# Altium PCB Holberton.PcbDoc (part 5 of 6) (continued)
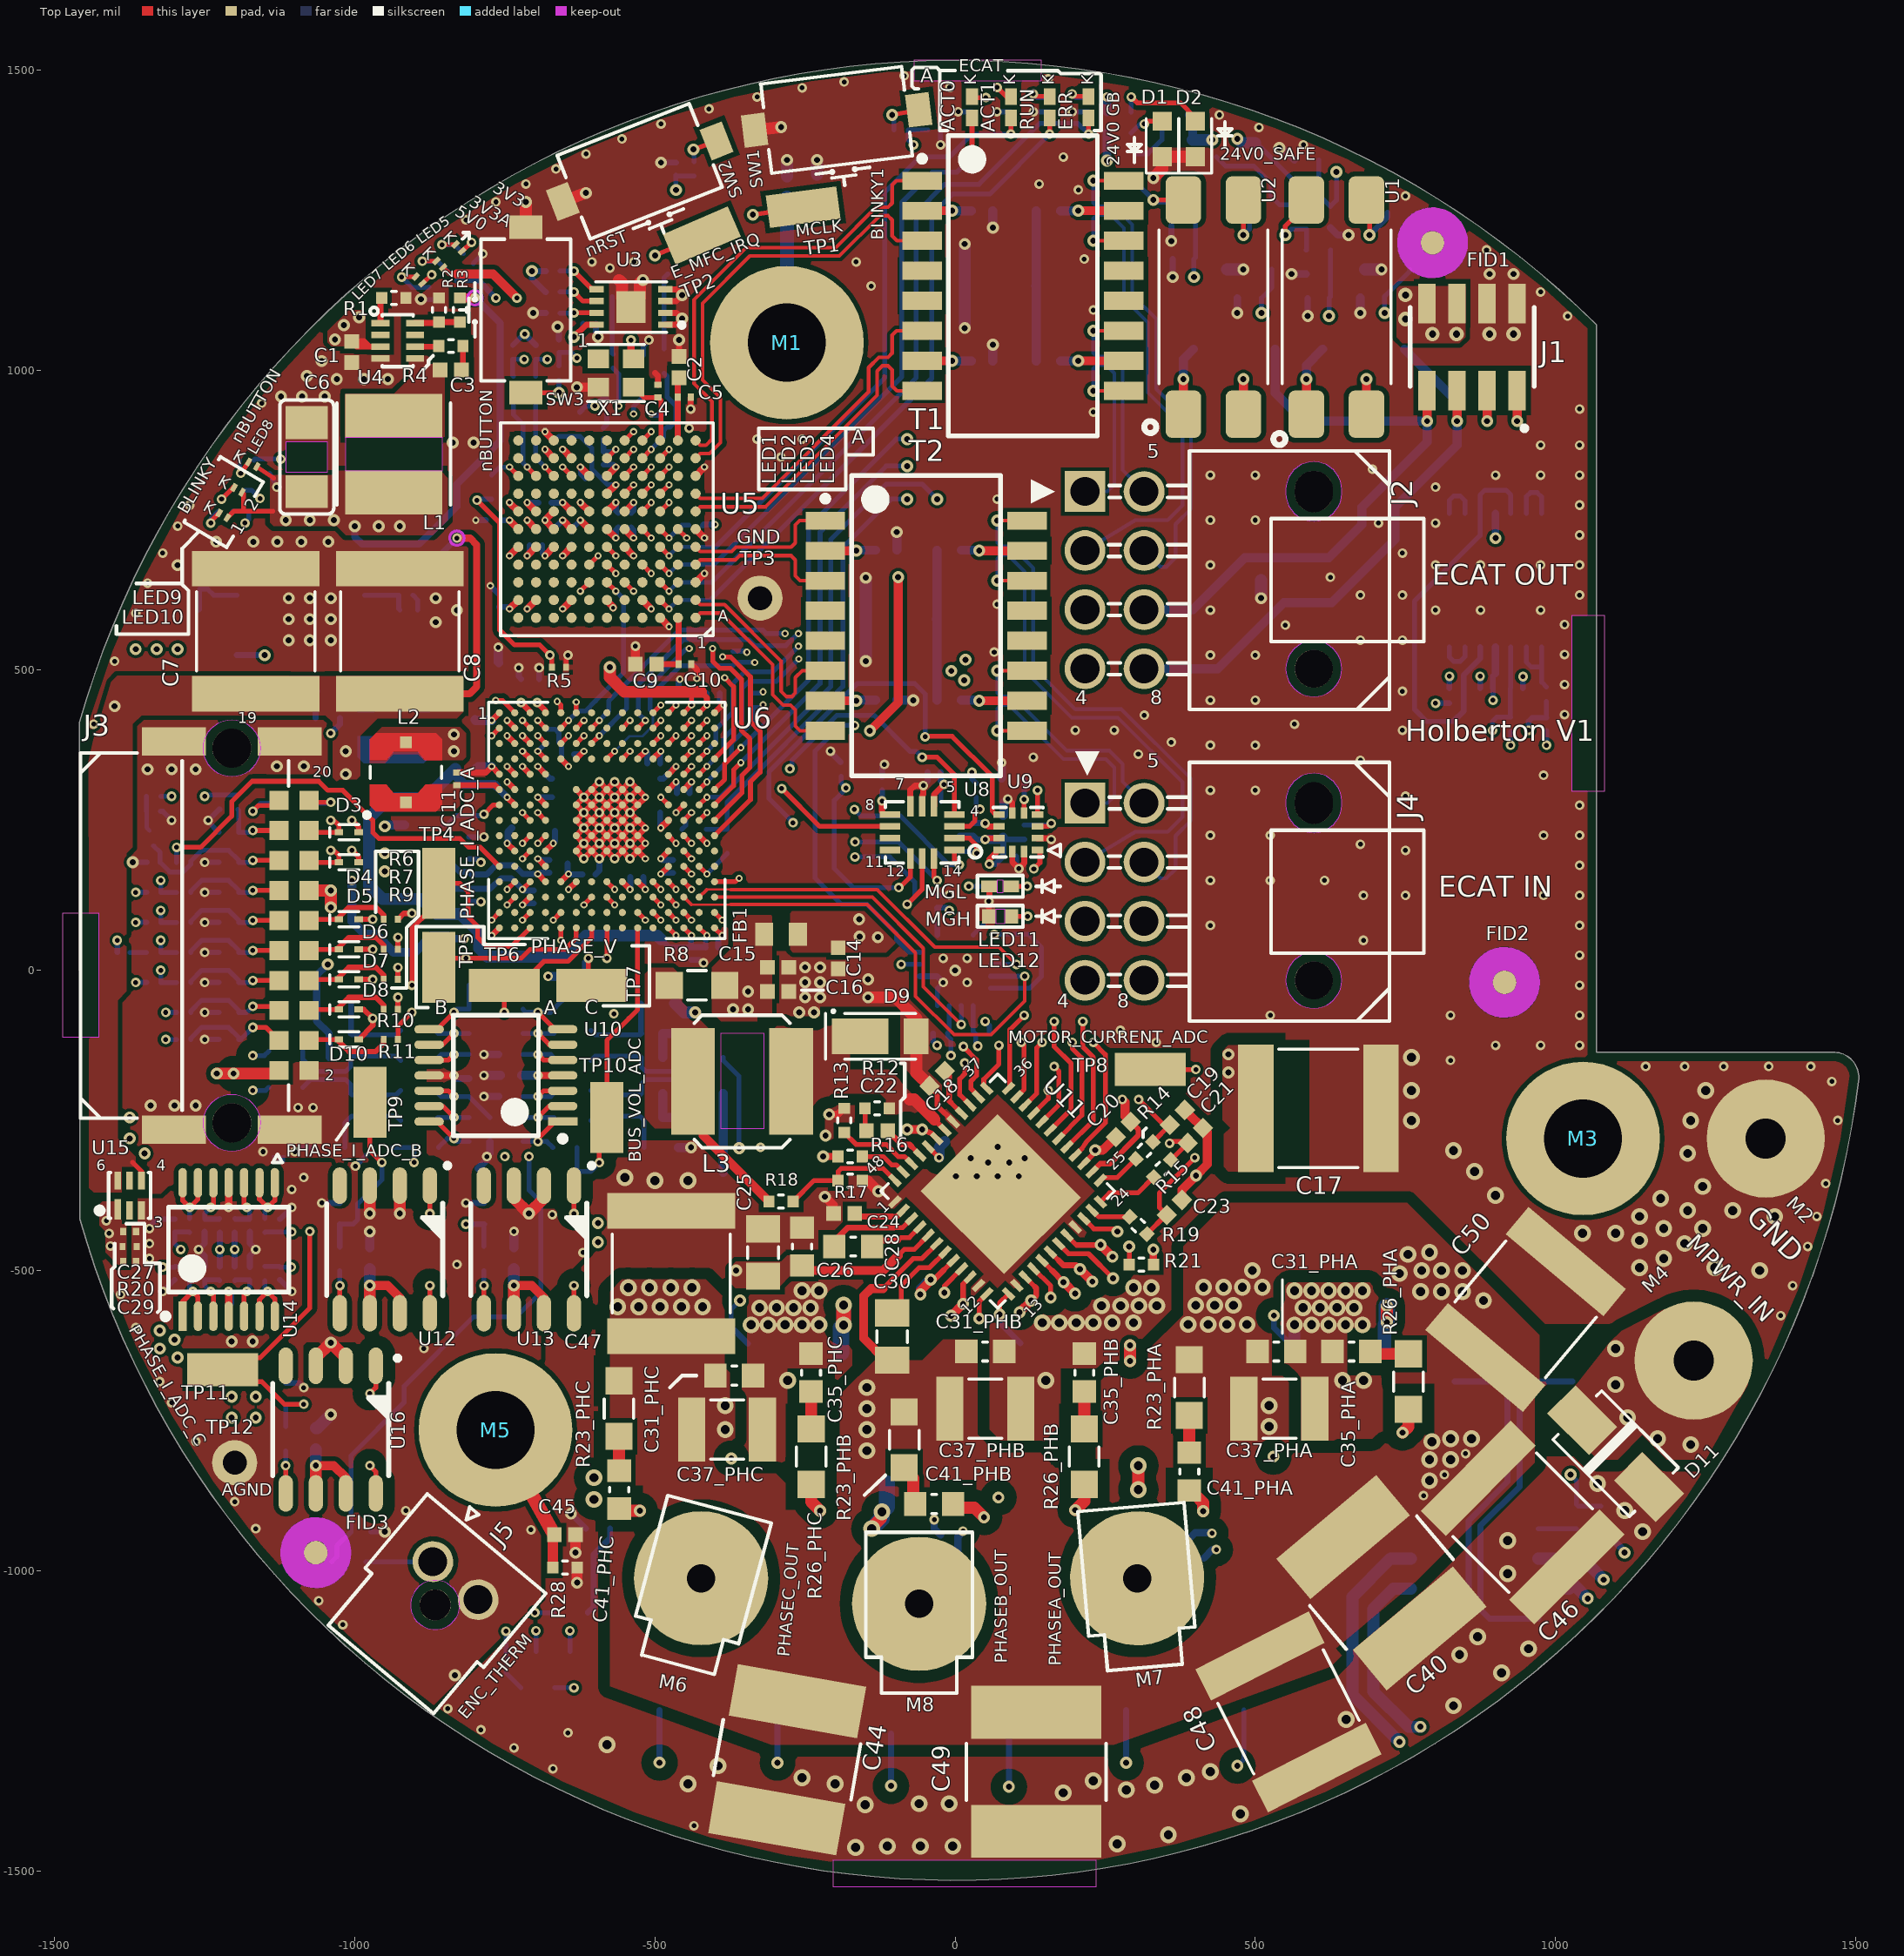
[diagram p0: Top Layer view]
## Nets (pads, with @x,y where several pads share a name; then routed paths per layer and width w, separated by ;. In a path a pad name is that pad's centre, name@x,y a point inside that pad or via, vN(x,y) a via of type N, cw(c..) or ccw(c..) an arc to the next point about the centre after c; other vN are vias at no path point) (continued)
NetU5_A10: U5.A10
NetU5_A11: U5.A11
NetU5_B2: U5.B2
NetU5_B5: U5.B5
NetU5_B7: U5.B7
NetU5_B9: U5.B9
NetU5_C2: U5.C2
NetU5_C4: U5.C4
NetU5_C8: U5.C8
NetU5_C9: U5.C9
NetU5_C10: U5.C10
NetU5_C11: U5.C11
NetU5_D2: U5.D2
NetU5_D5: U5.D5
NetU5_D8: U5.D8
NetU5_D9: U5.D9
NetU5_D10: U5.D10
NetU5_D11: U5.D11
NetU5_E2: U5.E2
NetU5_E4: U5.E4
NetU5_E7: U5.E7
NetU5_G2: U5.G2
NetU5_H2: U5.H2
NetU5_H7: U5.H7
NetU5_H8: U5.H8
NetU5_H9: U5.H9
NetU5_H10: U5.H10
NetU5_H11: U5.H11
NetU5_J2: U5.J2
NetU5_K2: U5.K2
NetU5_K7: U5.K7
NetU5_K10: U5.K10
NetU5_K11: U5.K11
NetU5_L6: U5.L6
NetU5_L7: U5.L7
NetU5_L8: U5.L8
NetU5_L10: U5.L10
NetU5_L11: U5.L11
NetU6_A8: U6.A8
NetU6_A9: U6.A9
NetU6_A10: U6.A10
NetU6_B12: U6.B12
NetU6_B15: U6.B15
NetU6_C1: U6.C1
NetU6_C8: U6.C8
NetU6_C9: U6.C9
NetU6_C10: U6.C10
NetU6_C15: U6.C15
NetU6_D1: U6.D1
NetU6_D2: U6.D2
NetU6_D7: U6.D7
NetU6_D12: U6.D12
NetU6_E15: U6.E15
NetU6_F3: U6.F3
NetU6_F4: U6.F4
NetU6_G3: U6.G3
NetU6_H1: U6.H1
NetU6_H2: U6.H2
NetU6_J1: U6.J1
NetU6_J2: U6.J2
NetU6_K1: U6.K1
NetU6_K14: U6.K14
NetU6_K15: U6.K15
NetU6_L2: U6.L2
NetU6_L3: U6.L3
NetU6_L15: U6.L15
NetU6_M1: U6.M1
NetU6_M7: U6.M7
NetU6_M14: U6.M14
NetU6_N1: U6.N1
NetU6_N4: U6.N4
NetU6_N5: U6.N5
NetU6_N6: U6.N6
NetU6_N9: U6.N9
NetU6_N10: U6.N10
NetU6_P2: U6.P2
NetU6_P4: U6.P4
NetU6_P6: U6.P6
NetU6_P7: U6.P7
NetU6_P8: U6.P8
NetU6_P9: U6.P9
NetU6_R2: U6.R2
NetU6_R4: U6.R4
NetU8_10: U8.10
NetU8_11: U8.11
NetU12_4: U12.4
NetU13_4: U13.4
NetU15_2: U15.2
NetU15_5: U15.5
NetU16_4: U16.4
NetU17_6: U17.6 U17.7 | length 64.8
  Bottom Layer w8: U17.7@823.23,538.78 823.23,521.77 830,515 841.31,515 848.82,522.51 U17.6@848.82,538.78
NetU17_8: U17.8 U17.9 | length 74.8
  Bottom Layer w8: U17.8@823.23,761.22 823.23,783.23 830,790 841.31,790 848.82,782.49 U17.9@848.82,761.22
NetU17_13: U17.13 U17.14 | length 86.8
  Bottom Layer w8: U17.13@951.18,761.22 951.18,789.18 958,796 969.31,796 976.77,788.54 U17.14@976.77,761.22
NetU19_1: U19.1
NetU19_9: U19.9
NetU19_14: U19.14
NetU19_15: U19.15
NetU20_4: U20.4
NetX1_1: X1.1
nRST: C52.1 R40.1 R100.1 U6.L1 | length 2407.4
  Top Layer w8: v1(-1296.81,205) -1257,205 -1205,257 -1205,281 -1171,315 -1060,315 -1045,300 -1020,300 -970,250 -970,230 -960,220 -825,220 -810,205 -790.91,205 U6.L1@-759.14,173.22
  SL1 w6: v1(-1296.81,205) -1285,216.81 -1285,390 -1227,448 -1227,680 -1212,695 -1212,753.77 -1200.2,765.57 -1200.2,793.8 -1169,825 -1169,863 -1131,901 -1034,901 -965,970 -965,1005 -864,1106 -864,1134 -828,1170 -828,1216 -811.5,1232.5 -743.5,1232.5 -718,1258 -507,1258 v2(-465,1300)
  Bottom Layer w8: R100.1@-1296.81,180 v1(-1296.81,205) ; v2(-465,1300) C52.1@-465,1324.37 -463.81,1323.19 R40.1@-435,1323.19
PDR_ON: R88.1 U6.D4 | length 39.6
  Top Layer w8: v3(-695.16,365.15) U6.D4@-682.36,352.36
  Bottom Layer w8: v3(-695.16,365.15) -682.12,378.19 R88.1@-679,378.19
PHASE_V_ADC_A: C151.1 R145.2 TP6.1 U6.R7 | length 643.6
  Top Layer w8: v1(-751,-70) TP6.1@-751,-25 -725,-25 -685,15 -645,15 -605.59,54.41 U6.R7@-605.6,70.86
  SL1 w6: v1(-901.18,-320) -880.18,-299 -828,-299 -763,-234 -763,-82 v1(-751,-70)
  Bottom Layer w8: C151.1@-937.29,-295 R145.2@-901.18,-295 v1(-901.18,-320)
PHASE_V_ADC_B: C127.1 R112.2 TP5.1 U6.R6 | length 352.3
  Top Layer w8: TP5.1@-860,5 -860,15 -855,20 v1(-815,20) -723,20 -708,35 -650,35 -631.18,53.82 U6.R6@-631.19,70.86
  Bottom Layer w8: R112.2@-850.18,-25 -850.18,17.11 C127.1@-845,22.29 -842.71,20 v1(-815,20)
PHASE_V_ADC_C: C132.1 R116.2 TP7.1 U6.M8 | length 272.7
  Top Layer w8: v1(-611,20.1) -611,-19 TP7.1@-605,-25 ; U6.M8@-580.01,147.63 v3(-567.21,134.84)
  SL2 w6: v1(-611,20.1) -585,46.1 -585,117.05 v3(-567.21,134.84)
  Bottom Layer w8: R116.2@-613.82,-50 -617.29,-46.53 C132.1@-617.29,-10 -617.29,13.81 v1(-611,20.1)
PHASEA: C41_PHA.1 Q8_PHA.5 Q11_PHA.1 R26_PHA.2 R131.1 R160.1 U11.9 U13.8 | length 5785.2
  Top Layer w8: U13.8@-635,-571.3 v1(-635,-525) ; v2(-18,-537) -18,-526.01 U11.9@10.86,-497.15
  Top Layer w20: C41_PHA.1@390,-866.49 398.7,-875.19 401.28,-875.19 413,-886.9 v2(413,-901) ; v2(745,-770) 754.99,-760.01 R26_PHA.2@754.99,-731.26
  SL1 w10: v1(-635,-525) -635,-485.1 -645.1,-475 -664.8,-475 -674.8,-485 -674.8,-590.92 -130.32,-1135.4 270.08,-1135.4 386.4,-1251.72 386.4,-1286.8 398.7,-1299.1 444.1,-1299.1 v2(470,-1325) ; v2(-18,-537) -45,-564 -45,-580 -45,-604 116,-765 337,-765 382,-810 v2(530,-810)
  SL2 w6: v1(-1170,-200) -1153,-217 -1153,-275 -1212,-334 -1286,-334 -1325,-373 -1354,-373 -1388,-407 -1388,-511.7 -1329.7,-570 -1307.8,-570 -1266.5,-611.3 -1266.5,-719.5 -1218,-768 -1176,-768 -1143,-801 -1143,-858 -1093,-908 -1093,-983 -938,-1138 -811,-1138 -754,-1195 -693,-1195 -641,-1247 293,-1247 485,-1055 485,-951 435,-901 v2(413,-901)
  Bottom Layer w8: v1(-1170,-200) -1148.54,-200 R131.1@-1143.54,-195 ; v2(470,-1325) 481.03,-1313.97 R160.1@481.03,-1232.2
PHASEA_OUT: M7.1 R160.2 U13.1 | length 1832.6
  Top Layer w8: v1(-635,-405) U13.1@-635,-358.7
  SL1 w10: v1(-635,-405) -635,-445.4 -644.6,-455 -673.08,-455 -694.8,-476.72 -694.8,-599.2 -138.6,-1155.4 261.8,-1155.4 366.4,-1260 366.4,-1296.3 342.7,-1320 v2(284.6,-1320)
  Bottom Layer w10: v2(284.6,-1320) R160.2@284.6,-1232.2
PHASEB: C41_PHB.1 Q8_PHB.5 Q11_PHB.1 R26_PHB.2 R125.1 R162.1 U11.16 U12.8 | length 5325.5
  Top Layer w8: U12.8@-875,-571.3 v1(-875,-525) ; U11.16@130.57,-497.15 159,-525.57 v2(159,-545)
  Top Layer w20: C41_PHB.1@-1.51,-895 32,-895 v2(48,-911) ; v2(199.99,-899) 214.99,-884 R26_PHB.2@214.99,-856.26
  SL1 w10: v1(-875,-525) -875,-485.1 -885.1,-475 -904.8,-475 -919.8,-490 -919.8,-830.32 -870.09,-880.03 -818.13,-918.11 -740.63,-942.69 -635.32,-1048 -520.72,-1048 -465.82,-1102.9 -367.1,-1102.9 -235.2,-1234.8 -55.2,-1234.8 -7.68,-1282.32 -7.68,-1326 11.32,-1345 74.44,-1345 v2(89.43,-1360) ; v2(72,-878) -108.2,-697.8 -108.2,-527.3 -71.2,-490.3 92.7,-490.3 120.19,-517.79 131.79,-517.79 v2(159,-545)
  SL2 w6: v1(-1170,-142) -1125,-187 -1125,-309 -1176,-360 -1267,-360 -1317,-410 -1351.87,-410 -1361,-419.13 -1361,-497 -1343,-515 -1312.6,-515 -1290,-537.6 -1290,-545 -1235,-600 -1235,-635.8 -1220.8,-650 -1145,-650 -1105,-690 -1105,-740 -1043.8,-801.2 -1043.8,-953.3 -970,-1027.1 -970,-1067.3 -926.3,-1111 -782,-1111 -756,-1137 -583,-1137 -575,-1145 -155,-1145 -131.5,-1121.5 -7.5,-1121.5 58,-1056 58,-990.39 48,-980.39 v2(48,-911)
  Bottom Layer w8: v1(-1170,-142) -1150.54,-142 R125.1@-1143.54,-135
  Bottom Layer w10: v2(89.43,-1360) R162.1@89.43,-1271.1
PHASEB_OUT: M8.1 R162.2 U12.1 | length 1829.6
  Top Layer w8: v1(-875,-405) U12.1@-875,-358.7
  SL1 w10: v1(-875,-405) -875,-445.4 -884.6,-455 -913.08,-455 -939.8,-481.72 -939.8,-838.6 -888.68,-889.72 -829.05,-935.63 -751.32,-960.28 -643.6,-1068 -529,-1068 -474.1,-1122.9 -375.38,-1122.9 -243.48,-1254.8 -63.48,-1254.8 -27.68,-1290.61 -27.68,-1327.68 -45,-1345 -93.42,-1345 v2(-106.99,-1358.56)
  Bottom Layer w10: v2(-106.99,-1358.56) R162.2@-106.99,-1271.1
PHASEC: C41_PHC.1 Q8_PHC.5 Q11_PHC.1 R26_PHC.2 R126.1 R161.1 U11.19 U16.8 | length 3331.8
  Top Layer w8: v1(-975,-825) -965,-835 U16.8@-965,-871.3 ; U11.19@172.33,-455.4 188.94,-472 222,-472 v2(263,-513)
  Top Layer w20: C41_PHC.1@-560,-896.49 -556.48,-900 v2(-525,-900) ; R26_PHC.2@-240.01,-856.26 -240.01,-885 v2(-225.01,-900)
  SL1 w10: v1(-975,-825) -975,-785.1 -985.1,-775 -1004.8,-775 -1013,-783.2 -1013,-912 -937,-988 -937,-1061.43 -886.9,-1111.53 -790.74,-1111.53 -760.07,-1142.2 -595.52,-1142.2 -542.92,-1194.8 -431.92,-1194.8 -379,-1247.72 -379,-1296 -355,-1320 v2(-295.94,-1320)
  SL2 w6: v2(-525,-900) -525,-830 -610,-745 -610,-520 -570,-480 -475,-480 -402.5,-407.5 -374,-379 -374,-323 -374,-310 v2(-360,-296)
  SL2 w10: v2(-373,-813) -367,-813 -154.1,-600.1 -154.1,-532.1 -62,-440 188.88,-440 261.88,-513 v2(263,-513)
  Bottom Layer w8: R126.1@-386.46,-145 -386.46,-149.92 -360,-176.38 v2(-360,-296)
  Bottom Layer w10: v2(-295.94,-1320) R161.1@-295.93,-1232.2
PHASEC_OUT: M6.1 R161.2 U16.1 | length 1345.5
  Top Layer w8: v1(-975,-705) -965,-695 U16.1@-965,-658.7
  SL1 w10: v1(-975,-705) -975,-745.4 -984.6,-755 -1013.08,-755 -1033,-774.92 -1033,-920.28 -957,-996.28 -957,-1069.71 -895.18,-1131.53 -799.02,-1131.53 -768.35,-1162.2 -603.8,-1162.2 -551.2,-1214.8 -440.2,-1214.8 -399,-1256 -399,-1283 -412,-1296 -468.68,-1296 v2(-492.36,-1319.67)
  Bottom Layer w10: v2(-492.36,-1319.67) R161.2@-492.36,-1232.2
RCL: R13.2 U11.46 | length 133.7
  Top Layer w8: R13.2@-185,-270.18 -165.18,-290 -115,-290 -95,-310 -84.42,-310 U11.46@-72.65,-321.76
RTSD: R16.2 U11.47 | length 78.9
  Top Layer w8: R16.2@-154.82,-310 -120,-310 -106,-324 -98.26,-324 U11.47@-86.57,-335.68
SNA: NT3_PHA.1 U11.12 | length 653.2
  Top Layer w8: v2(40,-580) 39.99,-551.53 U11.12@52.62,-538.9
  SL1 w8: v2(40,-580) 115,-655 192,-655 212.29,-675.29 382.01,-675.29 416.5,-640.8 489.2,-640.8 530.85,-599.15 v2(530.85,-575)
  Bottom Layer w10: NT3_PHA.1@530.86,-595.86 v2(530.85,-575)
SNB: NT3_PHB.1 U11.13 | length 62.4
  Top Layer w8: v2(74,-573) 74,-553.71 U11.13@88.81,-538.9
  Bottom Layer w10: v2(74,-573) 74,-586.56 NT3_PHB.1@80.1,-592.66
SNC: NT3_PHC.1 U11.22 | length 889.9
  Top Layer w8: U11.22@214.09,-413.63 230.85,-430.4 265.4,-430.4 v2(270,-435)
  SL1 w8: v2(-358.46,-550) -358.46,-523.46 -342.7,-507.7 -326.76,-507.7 -241.96,-422.9 -203.1,-422.9 -165.1,-384.9 ; -165,-385 -160,-380 -160,-360 -148.1,-348.1 -79.6,-348.1 -42.2,-385.5 220.5,-385.5 v2(270,-435)
  Bottom Layer w8: NT3_PHC.1@-373.45,-593.66 -373.45,-565 v2(-358.46,-550)
STO1: D12.1 J1.7 J2.7 J4.7 R58.2 | length 1627.7
  Top Layer w15: v2(785.98,915) J1.7@785.98,965.85
  SL2 w15: J4.7@314.56,81.87 403,170.32 403,512.43 J2.7@314.56,600.87
  Bottom Layer w15: J2.7@314.56,600.87 395.88,600.88 482.39,687.39 D12.1@590.35,687.4 622.39,687.39 677.51,742.51 677.51,771.53 785.98,880 v2(785.98,915) 580,915 532.91,962.09 R58.2@532.92,1035
STO2: D12.2 J1.5 J2.8 J4.8 R57.1 | length 1532.9
  Top Layer w15: v2(835.98,915) J1.5@835.98,965.85
  SL1 w15: J4.8@314.56,-16.55 386,54.89 386,431 J2.8@314.56,502.45
  Bottom Layer w15: J2.8@314.56,502.45 437.45,502.45 547.59,612.59 D12.2@590.35,612.59 627.59,612.59 732.51,717.51 732.51,771.53 835.98,875 v2(835.98,915) 835.98,946.93 R57.1@747.91,1035
STO_RET1: J1.1 J2.3 J4.3 U2.2 | length 2295.2
  Top Layer w15: U2.2@479.99,926.66 v2(479.99,985) ; v2(935.98,915) J1.1@935.98,965.85
  SL1 w15: J2.3@216.13,600.87 159.5,657.51 159.5,819.5 215.5,875.5 694.5,875.5 725,845 865.98,845 v2(935.98,915) 825.98,1025 519.99,1025 v2(479.99,985)
  SL2 w15: J4.3@216.13,81.87 165,133.01 165,176.6 137,204.6 137,259.3 159,281.3 159,543.74 J2.3@216.13,600.87
STO_RET2: J1.3 J2.4 J4.4 U1.2 | length 2113
  Top Layer w15: U1.2@684.99,926.66 v2(684.99,985) ; v2(885.98,915) J1.3@885.98,965.85
  SL1 w15: J4.4@216.13,-16.55 165,34.58 165,100 152.8,112.2 152.8,184 121,215.8 121,254 158.51,291.51 158.51,334.51 179,355 179,465.31 J2.4@216.13,502.45 124.5,594.08 124.5,829.5 197,902 743,902 760,885 855.98,885 v2(885.98,915) 815.98,985 v2(684.99,985)
SW: D9.K L3.1 R12.2 U11.42 | length 80.2
  Top Layer w9: -34.53,-248.53 U11.42@-16.98,-266.08
  Top Layer w20: -76,-215 -68.06,-215 -34.53,-248.53
TCK_SWCLK: R108.1 R109.2 U6.A12 | length 1477.3
  Top Layer w8: U6.A12@-477.64,429.13 v3(-464.85,441.92)
  SL2 w6: v1(-1323.19,50) -1345,71.81 -1345,208 -1385,248 -1385,350 -1235,500 -1135,500 -1120,515 -1009,515 -966,558 -841.11,558 -811.51,587.6 -603.6,587.6 -564,548 -564,538 -541,515 -541,510.8 -487.2,457 -479.92,457 v3(-464.85,441.92)
  Bottom Layer w8: v1(-1323.19,50) R109.2@-1323.19,30 R108.1@-1296.81,30
TDI: R102.1 R103.1 U6.A11 | length 1306.6
  Top Layer w8: U6.A11@-503.23,429.13 v3(-490.44,441.92)
  SL2 w6: v1(-1323.19,150) -1325.5,152.31 -1325.5,244.5 -1365,284 -1365,341 -1226,480 -1120,480 -1102.2,497.8 -995.2,497.8 -954,539 -836.54,539 -803.64,571.9 -615.2,571.9 -554,510.7 -554,494 -501.93,441.92 v3(-490.44,441.92)
  Bottom Layer w8: v1(-1323.19,150) R103.1@-1323.19,130 R102.1@-1296.81,130
TDO_SWO: R105.1 R106.1 U6.A6 | length 998
  Top Layer w8: U6.A6@-631.19,429.13 v3(-631.18,447)
  SL2 w6: v1(-1323.19,100) -1268,155.19 -1268,194 -1218.45,243.55 -1218.45,279.45 -1061.9,436 -973,436 -929,480 -816.84,480 -793.14,503.7 -751,503.7 -735,487.7 -659.5,487.7 -631.18,459.38 v3(-631.18,447)
  Bottom Layer w8: v1(-1323.19,100) R106.1@-1323.19,80 R105.1@-1296.81,80
TMS_SWDIO: R110.1 R111.1 U6.B13 | length 1661.9
  Top Layer w8: U6.B13@-452.05,403.54 v3(-439.26,416.33)
  SL2 w4: -452.05,456.41 -452.05,429.12 v3(-439.26,416.33)
  SL2 w6: v1(-1323.19,0) -1361.7,38.51 -1361.7,47.8 -1405,91.1 -1405,355 -1237.35,522.65 -1199,522.65 -1175.65,546 -1133,546 -1118,531 -1024,531 -956,599 -859,599 -832.16,625.84 -651.35,625.84 -640.51,615 -602,615 -549.4,562.4 -531.7,562.4 -475.7,506.4 -475.7,480.07 -452.05,456.41
  Bottom Layer w8: v1(-1323.19,0) R111.1@-1323.19,-20 R110.1@-1296.81,-20
TR_CLK: R11.2 U6.C3 | length 712.2
  Top Layer w8: R11.2@-928.19,-115 -928.19,-93.19 v1(-905,-70)
  Top Layer w10: v3(-720.75,390.74) U6.C3@-707.96,377.95
  SL1 w6: v1(-905,-70) -886.8,-51.8 -886.8,-8.2 -925,30 -940,30 -950,40 -950,95 -900,145 -885,145 -853.6,176.4 -853.6,313.4 -793.05,373.95 -737.54,373.95 v3(-720.75,390.74)
TR_DATA0: R10.2 U6.B2 | length 780.5
  Top Layer w8.84: R10.2@-928.19,-65 v1(-928.19,-45)
  Top Layer w10: v3(-746.35,416.33) U6.B2@-733.55,403.54
  SL1 w6: v1(-928.19,-45) -985,-45 -1015,-15 -1015,95 -970,140 -945,140 -927.5,157.5 -927.5,177.5 -888,217 -888,395 -848,435 -765.01,435 v3(-746.35,416.33)
TR_DATA1: R9.2 U6.B1 | length 649.6
  Top Layer w8: v3(-771.94,390.74) U6.B1@-759.14,403.54
  Top Layer w8.84: R9.2@-928.19,-15 v1(-928.19,5)
  SL1 w6: v1(-928.19,5) -970,5 -990,25 -990,92 -967,115 -950,115 -870,195 -870,387 -842,415 -796.19,415 v3(-771.94,390.74)
TR_DATA2: R7.2 U6.D3 | length 474.7
  Top Layer w8.84: R7.2@-928.19,35 v1(-928.19,55)
  Top Layer w10: v3(-720.75,365.15) U6.D3@-707.96,352.36
  SL1 w6: v1(-928.19,55) -928.19,96.81 -905,120 -885,120 -834,171 -834,264.12 -794,304.12 -794,341 -778.1,356.9 -729,356.9 v3(-720.75,365.15)
TR_DATA3: R6.2 U6.E3 | length 395.8
  Top Layer w8.84: R6.2@-928.19,85 -918.19,95 v1(-905,95)
  Top Layer w10: v3(-720.75,339.56) U6.E3@-707.96,326.77
  SL1 w6: v1(-905,95) -880,95 -815.1,159.9 -815.1,220.21 -791.71,243.6 -766.4,243.6 -720.75,289.25 v3(-720.75,339.56)
TSTCLK_SELECT: R22.2 R24.2 U5.H6 | length 169.6
  Top Layer w12: U5.H6@-580,794.06 v3(-565.24,808.81)
  Bottom Layer w8: R24.2@-660,889.82 R22.2@-625,889.82 -605,869.83 -605,835 -578.82,808.81 v3(-565.24,808.81)
VCC: C149.1 U11.44 | length 55.7
  Top Layer w8: U11.44@-44.82,-293.92 v1(-26.77,-311.98)
  Bottom Layer w18: v1@-27,-311 -27,-295 C149.1@-17,-285
VCP_RX: R124.1 U6.C6 | length 1184.6
  Top Layer w8: U6.C6@-631.19,377.95 v3(-618.39,390.74)
  SL2 w6: v1(-1315,-115) -1290,-90 -1235.95,-90 -1185.81,-39.86 -1160.75,-39.86 -1125,-4.11 -1125,201.2 -1090,236.2 -1090,281.2 -1024.9,346.3 -941.7,346.3 -937.42,342.02 -812.98,342.02 -797.1,357.9 -797.1,416 -779.6,433.5 -754.5,433.5 -751.15,430.14 -690.15,430.14 ; -690.12,430.12 -688.12,430.12 -670.14,412.14 -670.14,404.48 -658.36,392.7 -658.36,383.34 -650.52,375.5 -633.63,375.5 v3(-618.39,390.74)
  Bottom Layer w8: v1(-1315,-115) R124.1@-1296.81,-115
VCP_TX: R119.1 U6.A5 | length 1088.1
  Top Layer w8: v3(-663,448) -656.77,441.77 U6.A5@-656.78,429.13
  SL2 w6: v1(-1315,-70) -1280,-35 -1280,-23.74 -1225,31.26 -1225,89 -1195.53,118.47 -1195.53,264.53 -1169.17,290.89 -1142.15,290.89 -1103.2,329.84 -1103.2,359.8 -1050,413 -965,413 -916,462 -808.28,462 -784.85,485.43 -756.63,485.43 -746.4,475.2 -677.6,475.2 -663,460.6 v3(-663,448)
  Bottom Layer w8: v1(-1315,-70) R119.1@-1296.81,-70
VDS_A_ADC: C19.1 R14.1 U6.M2 | length 1446
  Top Layer w8: v3(-746.35,134.84) U6.M2@-733.55,147.63 ; v1(305.48,-215.02) 347.98,-257.52 C19.1@357.47,-257.52 R14.1@329.27,-285.74
  SL2 w6: v3(-746.35,134.84) -732.19,149 -708.74,149 -642,82.26 -642,-37.52 -589.52,-90 -413,-90 -398,-105 -305,-105 -281,-129 -203,-129 -115,-217 -59,-217 -30,-246 103,-246 120,-263 257.5,-263 v1(305.48,-215.02)
VDS_B_ADC: C21.1 R15.1 U6.R8 | length 1277.4
  Top Layer w8: v1(-580,20) U6.R8@-580.01,70.86 ; v1(357,-288) 360,-285 384.95,-285 C21.1@387.47,-287.52 R15.1@359.27,-315.74
  SL2 w6: v1(-580,20) -580,4.9 -528.1,-47 -418,-47 -380,-85 -299,-85 -274,-110 -199,-110 -109,-200 -57,-200 -26,-231 112,-231 129,-248 204,-248 258,-194 324,-194 357,-227 v1(357,-288)
VDS_C_ADC: C23.1 R19.1 U6.P11 | length 1422.6
  Top Layer w8: U6.P11@-503.23,96.45 v3(-490.44,83.65) ; R19.1@319.26,-439.26 351.01,-407.52 C23.1@352.47,-407.52 340,-395.05 340,-371 v1(399,-312)
  SL2 w6: v3(-490.44,83.65) -503,71.09 -503,37 -439,-27 -377,-27 -361.9,-11.9 -304.1,-11.9 -290,-26 -290,-70 -269,-91 -194,-91 -104,-181 -56,-181 -21,-216 116,-216 132,-232 183,-232 245,-170 333.71,-170 399,-235.29 v1(399,-312)
VFBSMPS: C84.1 C87.1 C88.1 C92.1 C93.1 C95.2 C99.2 C128.1 C129.1 L2.2 U6.A3 U6.A4 U6.A13 U6.A14 U6.G2 U6.R13 U6.R14 | length 1494.4
  Top Layer w8: U6.R13@-452.05,70.86 v3(-439.26,58.06) ; U6.A13@-452.05,429.13 v3(-439.26,441.92) -439.26,463.25 -440,464 ; U6.R14@-426.46,70.86 v3(-413.67,58.06) ; U6.A14@-426.46,429.13 v3(-413.67,441.92)
  Top Layer w10: v3(-746.35,288.38) U6.G2@-733.55,275.59 ; v1(-722.76,445.93) -707.95,431.13 U6.A3@-707.96,429.13 ; v1(-696.16,445.93) -682.36,432.14 U6.A4@-682.36,429.13 ; -423.67,464 -413.67,454 v3(-413.67,441.92)
  Top Layer w20: v2(-575,505) -575,488 -551,464 -440,464 -423.67,464
  Bottom Layer w9.24: -490,52 -476.63,38.63 C128.1@-440,38.63 -440,57.32 v3(-439.26,58.06) ; C92.1@-439.37,462 -439.37,442.04 v3(-439.26,441.92) ; C129.1@-415.63,37.99 -415.63,56.1 v3(-413.67,58.06) ; v3@-413.63,441.96 C93.1@-413.63,461.99
  Bottom Layer w10: C128.1@-440,38.63 -416.27,38.63 C129.1@-415.63,37.99
  Bottom Layer w12: -765,307 v3@-746.39,288.38
  Bottom Layer w15: C99.2@-832.72,337 -832.72,335.28 -832.72,325 -817.72,310 -768,310 -765,307
  Bottom Layer w20: C99.2@-832.72,335.28 -881,287 -943,287 -976,254 -976,141 -954,119 -889.3,119 -864.05,93.75 -823.75,93.75 -793,63 -793,37 -779,23 -650,23 -615,58 -496,58 -490,52
  other v2: -835,365 -835,393
pads on no net: "J2. " "J4. " FID1.1 FID2.1 FID3.1 FID4.1 FID5.1 FID6.1 J3. J5. T1.4 T1.5 T1.12 T1.13 T2.4 T2.5 T2.12 T2.13

## Polygon pours and split planes (outlines as drawn)
no net on (M6) 3D Bodies Bottom (solid, remove dead copper): 0,84.85 84.85,0 0,-84.85 -84.85,0 0,84.85
no net on (M6) 3D Bodies Bottom (solid, remove dead copper): 0,84.85 84.85,0 0,-84.85 -84.85,0 0,84.85
GND on Bottom Layer "BOTTOM-GND 1" (solid, remove dead copper, pour order 1288): 60 vertices, not listed, extent -1444.11,-1500.61 1493.09,1500.6
24V0_GB on Bottom Layer "BOTTOM-24V0_GB" (solid, remove dead copper, pour order 1281): -285,30 -285,-195 -321,-195 -325,-191 -325,-137 -380,-82 -380,-25 -325,30
24V0 on Bottom Layer "BOTTOM-24V0" (solid, remove dead copper, pour order 1255): -785,1025 -1030,1025 -1048,1043 -1048,1067 -1015,1100 -800,1100 -785,1085 -785,1025
GND on Bottom Layer "BOTTOM-GND 3" (solid, remove dead copper, pour order 1234): -165,30 -245,30 -260,15 -260,-185 -250,-195 -165,-195 -165,30
GND on Bottom Layer "BOTTOM-GND 8" (solid, remove dead copper, pour order 1211): -772,888 -772,965 -910,965 -945,1000 -1024,1000 -1051,1027 -1079,1027 -1150,956 -1150,905 -1131,886 -1040,886 -1012,858 -802,858 -772,888
NetQ1_D on Bottom Layer "BOTTOM-NETQ3_1_S" (solid, remove dead copper, pour order 1197): 485,1320 485,1300 480,1295 425,1295 360,1295 355,1300 355,1310 355,1320 360,1325 480,1325 485,1320
3V3A_GB on Bottom Layer "BOTTOM-3V3A_GB" (solid, remove dead copper, pour order 1198): -1140,-750 -1140,-680 -1145,-675 -1225,-675 -1235,-685 -1280,-685 -1285,-690 -1285,-740 -1270,-755 -1145,-755
NetC7_1 on Bottom Layer "BOTTOM-NETC46_1" (solid, remove dead copper, pour order 1199): -1010,375 -995,390 -975,390 -955,370 -920,370 -900,390 -875,390 -875,330 -890,315 -1038,315 -1043,320 -1043,371 -1039,375 -1010,375
3V3 on Bottom Layer "BOTTOM-3V3 2" (solid, remove dead copper, pour order 1202): -1030,825 -1130,825 -1140,815 -1140,750 -1130,740 -1037,740 -1026,729 -917,729 -902,744 -902,814 -930,842 -1013,842 -1030,825
3V3 on Bottom Layer "BOTTOM-3V3 1" (solid, remove dead copper, pour order 1203): 24 vertices, not listed, extent -715,225 -640,365
3V3 on Bottom Layer "BOTTOM-3V3" (solid, remove dead copper, pour order 1209): -1430,-355 -1430,-245 -1415,-230 -1370,-230 -1365,-235 -1335,-265 -1335,-325 -1375,-365 -1420,-365 -1430,-355
GND on Bottom Layer "BOTTOM-GND 9" (solid, remove dead copper, pour order 1210): 60 vertices, not listed, extent -1380,305 -805,725
GND on Bottom Layer "BOTTOM-GND 7" (solid, remove dead copper, pour order 1213): -354,-686 -354,-528 -344,-518 -222,-518 -213,-527 -213,-678 -230,-695 -345,-695 -354,-686
GND on Bottom Layer "BOTTOM-GND 6" (solid, remove dead copper, pour order 1214): 18 vertices, not listed, extent 99,-695 355,-510
GND on Bottom Layer "BOTTOM-GND 5" (solid, remove dead copper, pour order 1221): 551,-686 551,-527 559,-519 684,-519 694,-529 694,-686 685,-695 560,-695 551,-686
GND on Bottom Layer "BOTTOM-GND 4" (solid, remove dead copper, pour order 1230): -158,-220 -158,-263 -161,-266 -161,-335 -235,-335 -276,-294 -276,-233 -263,-220 -158,-220
GND on Bottom Layer "BOTTOM-GND 2" (solid, remove dead copper, pour order 1235): 17 vertices, not listed, extent -1165,-310 -1035,-195
GND on Bottom Layer "BOTTOM-GND" (solid, remove dead copper, pour order 1237): 550,-610 550,-660 575,-660 575,-610 550,-610
MPWR_IN on Bottom Layer "BOTTOM-MPWR_IN 1" (solid, remove dead copper, pour order 1240): 21 vertices, not listed, extent 435,-815 1333.05,-115
MPWR_IN on Bottom Layer "BOTTOM-MPWR_IN" (solid, remove dead copper, pour order 1241): -123,-336 -76,-336 -41,-301 -41,-241 -61,-221 -131,-221 -131,-266 -123,-274
3V3A on Bottom Layer "BOTTOM-3V3A 2" (solid, remove dead copper, pour order 1245): -1375,-385 -1410,-385 -1425,-400 -1425,-425 -1415,-435 -1415,-470 -1395,-490 -1375,-490 -1365,-480 -1365,-395 -1375,-385
3V3A on Bottom Layer "BOTTOM-3V3A 1" (solid, remove dead copper, pour order 1247): -1340,-635 -1340,-585 -1330,-575 -1240,-575 -1235,-580 -1235,-655 -1320,-655 -1340,-635
3V3A on Bottom Layer "BOTTOM-3V3A" (solid, remove dead copper, pour order 1248): -901,186.8 -935.2,186.8 -940,191.6 -940,200 -945,205 -955,205 -960,200 -960,154 -946.2,140.2 -901,140.2
24V0 on Bottom Layer "BOTTOM-24V0 1" (solid, remove dead copper, pour order 1254): 24 vertices, not listed, extent -1380,472 -1170,610
GHA on Bottom Layer "BOTTOM-GHA" (solid, remove dead copper, pour order 1256): 350,-885 350,-815 340,-805 300,-805 290,-815 290,-880 300,-890 345,-890 350,-885
GHC on Bottom Layer "BOTTOM-GHC" (solid, remove dead copper, pour order 1258): -553,-887 -553,-812 -558,-807 -609,-807 -620,-818 -620,-891 -607,-904 -570,-904 -553,-887
GLB on Bottom Layer "BOTTOM-GLB" (solid, remove dead copper, pour order 1264): 250,-615 299,-615 302,-618 302,-655 296,-661 250,-661 250,-615
PHASEA_OUT on Bottom Layer "BOTTOM-PHASEA_OUT" (solid, remove dead copper, pour order 1265): 234.2,-1300 375,-1300 390,-1285 390,-1000 320,-930 280,-930 210,-1000 210,-1275.8
PHASEA on Bottom Layer "BOTTOM-PHASEA" (solid, remove dead copper, pour order 1266): 19 vertices, not listed, extent 371.23,-1300 755,-710.64
PHASEB_OUT on Bottom Layer "BOTTOM-PHASEB_OUT" (solid, remove dead copper, pour order 1267): -162.04,-1340 -30,-1340 -15,-1325 -15,-1170 15,-1140 15,-1035 -45,-975 -120,-975 -161,-1016 -161,-1141 -180,-1160 -180,-1322.04 -162.04,-1340
PHASEB on Bottom Layer "BOTTOM-PHASEB" (solid, remove dead copper, pour order 1268): 20 vertices, not listed, extent -90,-1340 275,-710
PHASEC_OUT on Bottom Layer "BOTTOM-PHASEC_OUT" (solid, remove dead copper, pour order 1269): -405,-1115 -405,-1285 -420,-1300 -548.48,-1300 -558.46,-1290.01 -575,-1273.48 -575,-985 -530,-940 -415,-940 -380,-975 -380,-1090 -405,-1115
PHASEC on Bottom Layer "BOTTOM-PHASEC" (solid, remove dead copper, pour order 1270): 20 vertices, not listed, extent -540,-1300 -177,-710
AGND on Bottom Layer "BOTTOM-AGND 2" (solid, remove dead copper, pour order 1271): -1150,-330 -1150,-370 -1115,-405 -1055,-405 -1045,-395 -1045,-330 -1050,-325 -1145,-325 -1150,-330
AGND on Bottom Layer "BOTTOM-AGND 1" (solid, remove dead copper, pour order 1272): -1220,-655 -1145,-655 -1140,-650 -1140,-570 -1160,-550 -1190,-550 -1190,-560 -1220,-590 -1220,-655
AGND on Bottom Layer "BOTTOM-AGND" (solid, remove dead copper, pour order 1277): 45 vertices, not listed, extent -1450.65,-1223.74 -610,-320
1V8_ECAT on Bottom Layer "BOTTOM-1V8_ECAT" (solid, remove dead copper, pour order 1278): 18 vertices, not listed, extent -755,725 -555,825
NetC146_1 on Bottom Layer "BOTTOM-NETC1_1" (solid, remove dead copper, pour order 1283): 845,-250 845,-195 875,-165 1100,-165 1155,-220 1155,-340 1105,-390 995,-390 880,-275 870,-275 845,-250
NetC89_2 on Bottom Layer "BOTTOM-NETC45_2" (solid, remove dead copper, pour order 1284): 21 vertices, not listed, extent -1035,430 -815,535
VFBSMPS on Bottom Layer "BOTTOM-VFBSMPS" (solid, remove dead copper, pour order 1286): 36 vertices, not listed, extent -860,315 -565,520
MPWR on Bottom Layer "BOTTOM-MPWR" (solid, remove dead copper, pour order 1194): 54 vertices, not listed, extent -580,-890 895,-150
GND on Top Layer "TOP-GND" (solid, remove dead copper, pour order 1297): 62 vertices, not listed, extent -1451.89,-1500.61 1493.09,1500.6
24V0 on Top Layer "TOP-24V0 2" (solid, remove dead copper, pour order 1250): -257,113 -138,113 -100,75 -100,45 -115,30 -270,30 -275,35 -275,95 -257,113
MPWR on Top Layer "TOP-MPWR" (solid, remove dead copper, pour order 1263): 48 vertices, not listed, extent -575,-1290 995,-387.5